# Altium PCB PCB1.PcbDoc
Units mm, origin at the board's own origin, x right, y up, seen from the top; angles counter-clockwise.
Board outline 62.48 x 81.41 mm, 2 copper layers (Top Layer, Bottom Layer); 36 components, 21 nets, 288 pads, 40 vias.
Unrouted connection lines stored in the file: 4.
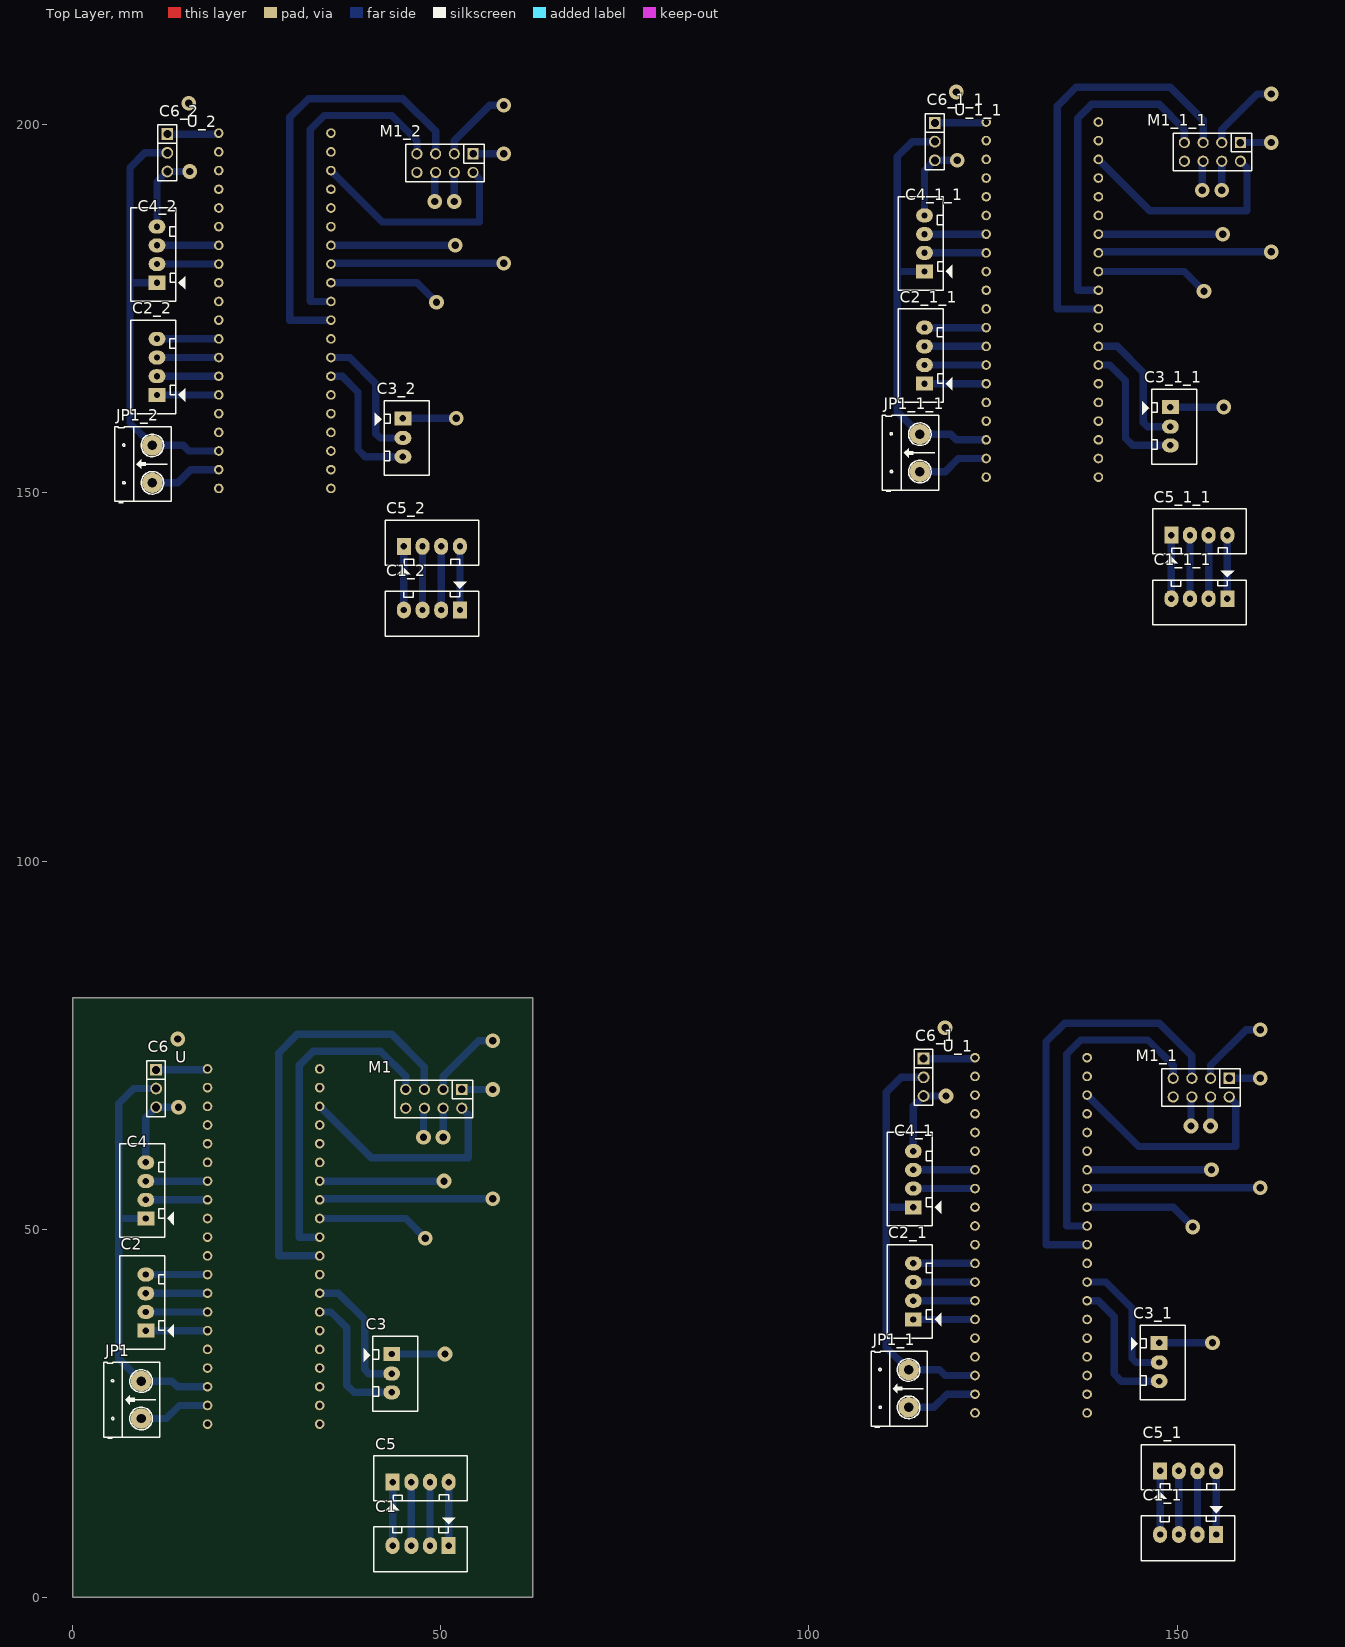
[diagram p0: Top Layer view]
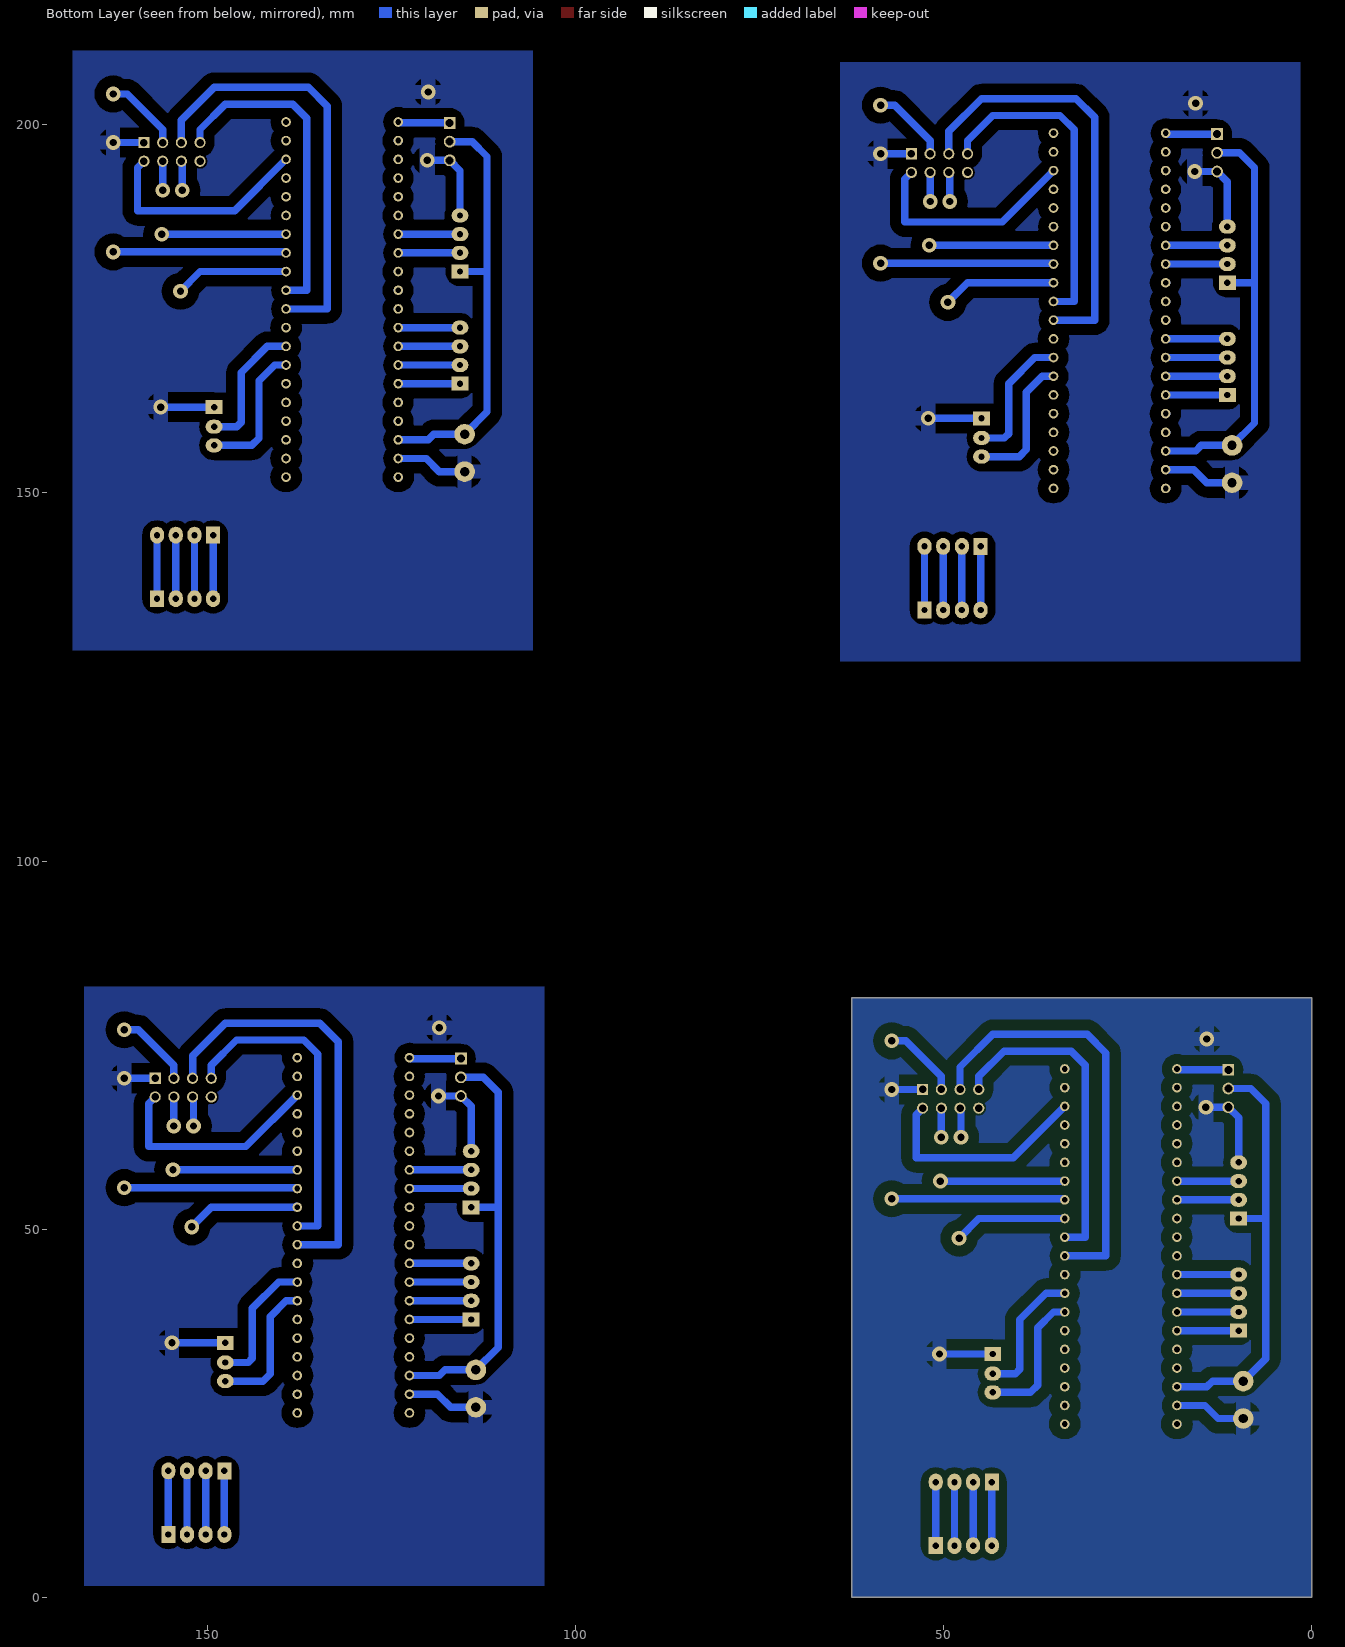
[diagram p1: Bottom Layer view, seen from below]

## Layer stack, top to bottom
Top Solder: solder mask 0.0102, Solder Resist, Dk 3.5
Top Layer: signal copper 0.0356
Dielectric 1: dielectric 0.32, FR-4, Dk 4.8
Bottom Layer: signal copper 0.0356
Bottom Solder: solder mask 0.0102, Solder Resist, Dk 3.5

## Board outline
0,0 62.484,0 62.484,81.407 0,81.407

## Design rules (kind name [scope] priority, off if disabled: settings)
Clearance Clearance_7 [InNamedPolygon('Bottom Layer-No Net')] p1: gap=0.254 ignorepadtopadclearanceinfootprint=FALSE except(0: Arc-Hole Track-Hole SMDPad-Hole THPad-Hole Via-Hole Fill-Hole Poly-Hole Region-Hole Text-Hole; 1.5: Arc-Fill Arc-Poly Arc-Region Track-Fill Track-Poly Track-Region Via-Fill Via-Poly Via-Region Fill-Fill Fill-Poly Fill-Region Poly-Poly Poly-Region Region-Region)
Clearance Clearance_6 [InNamedPolygon('Bottom Layer-No Net')] p2: gap=0.254 ignorepadtopadclearanceinfootprint=FALSE except(0: Arc-Hole Track-Hole SMDPad-Hole THPad-Hole Via-Hole Fill-Hole Poly-Hole Region-Hole Text-Hole; 1.5: Arc-Fill Arc-Poly Arc-Region Track-Fill Track-Poly Track-Region Via-Fill Via-Poly Via-Region Fill-Fill Fill-Poly Fill-Region Poly-Poly Poly-Region Region-Region)
Clearance Clearance_5 [InNamedPolygon('Bottom Layer-No Net')] p3: gap=0.254 ignorepadtopadclearanceinfootprint=FALSE except(0: Arc-Hole Track-Hole SMDPad-Hole THPad-Hole Via-Hole Fill-Hole Poly-Hole Region-Hole Text-Hole; 1.5: Arc-Fill Arc-Poly Arc-Region Track-Fill Track-Poly Track-Region Via-Fill Via-Poly Via-Region Fill-Fill Fill-Poly Fill-Region Poly-Poly Poly-Region Region-Region)
Clearance Clearance_4 [InNamedPolygon('Bottom Layer-No Net')] p4: gap=0.254 ignorepadtopadclearanceinfootprint=FALSE except(0: Arc-Hole Track-Hole SMDPad-Hole THPad-Hole Via-Hole Fill-Hole Poly-Hole Region-Hole Text-Hole; 0.5: Arc-Fill Arc-Poly Arc-Region Track-Fill Track-Poly Track-Region Via-Fill Via-Poly Via-Region Fill-Fill Fill-Poly Fill-Region Poly-Poly Poly-Region Region-Region)
Clearance Clearance_3 [InNamedPolygon('Bottom Layer-No Net')] p5: gap=0.254 ignorepadtopadclearanceinfootprint=FALSE except(0: Arc-Hole Track-Hole SMDPad-Hole THPad-Hole Via-Hole Fill-Hole Poly-Hole Region-Hole Text-Hole; 0.5: Arc-Fill Arc-Poly Arc-Region Track-Fill Track-Poly Track-Region Via-Fill Via-Poly Via-Region Fill-Fill Fill-Poly Fill-Region Poly-Poly Poly-Region Region-Region)
Clearance Clearance_2 [InNamedPolygon('Bottom Layer-No Net')] p6: gap=0.254 ignorepadtopadclearanceinfootprint=FALSE except(0: Arc-Hole Track-Hole SMDPad-Hole THPad-Hole Via-Hole Fill-Hole Poly-Hole Region-Hole Text-Hole; 0.5: Arc-Fill Arc-Poly Arc-Region Track-Fill Track-Poly Track-Region Via-Fill Via-Poly Via-Region Fill-Fill Fill-Poly Fill-Region Poly-Poly Poly-Region Region-Region)
Clearance Clearance_1 [InNamedPolygon('Bottom Layer-No Net')] p7: gap=0.254 ignorepadtopadclearanceinfootprint=FALSE except(0: Arc-Hole Track-Hole SMDPad-Hole THPad-Hole Via-Hole Fill-Hole Poly-Hole Region-Hole Text-Hole; 0.5: Arc-Fill Arc-Poly Arc-Region Track-Fill Track-Poly Track-Region Via-Fill Via-Poly Via-Region Fill-Fill Fill-Poly Fill-Region Poly-Poly Poly-Region Region-Region)
Clearance [All] p8: gap=0.254 ignorepadtopadclearanceinfootprint=FALSE except(0: Arc-Hole Track-Hole SMDPad-Hole THPad-Hole Via-Hole Fill-Hole Poly-Hole Region-Hole Text-Hole)
PolygonConnect PolygonConnect_8 [All vs IsNamedPolygon('Bottom Layer-No Net')] p1: connectstyle=Relief reliefconductorwidth=2 reliefentries=4 polygonreliefangle="90 Angle" airgapwidth=1
PolygonConnect PolygonConnect_7 [All vs IsNamedPolygon('Bottom Layer-No Net')] p2: connectstyle=Relief reliefconductorwidth=2 reliefentries=4 polygonreliefangle="90 Angle" airgapwidth=1
PolygonConnect PolygonConnect_6 [All vs IsNamedPolygon('Bottom Layer-No Net')] p3: connectstyle=Relief reliefconductorwidth=2 reliefentries=4 polygonreliefangle="90 Angle" airgapwidth=1
PolygonConnect PolygonConnect_5 [All vs IsNamedPolygon('Bottom Layer-No Net')] p4: connectstyle=Relief reliefconductorwidth=2 reliefentries=4 polygonreliefangle="90 Angle" airgapwidth=1
PolygonConnect PolygonConnect_4 [All vs IsNamedPolygon('Bottom Layer-No Net')] p5: connectstyle=Relief reliefconductorwidth=2 reliefentries=4 polygonreliefangle="90 Angle" airgapwidth=1
PolygonConnect PolygonConnect_3 [All vs IsNamedPolygon('Bottom Layer-No Net')] p6: connectstyle=Relief reliefconductorwidth=2 reliefentries=4 polygonreliefangle="90 Angle" airgapwidth=1
PolygonConnect PolygonConnect_2 [All vs IsNamedPolygon('Bottom Layer-No Net')] p7: connectstyle=Relief reliefconductorwidth=0.254 reliefentries=4 polygonreliefangle="90 Angle" airgapwidth=1
PolygonConnect PolygonConnect_1 [All vs IsNamedPolygon('Bottom Layer-No Net')] p8: connectstyle=Relief reliefconductorwidth=2 reliefentries=4 polygonreliefangle="90 Angle" airgapwidth=1
PolygonConnect [All] p9: connectstyle=Relief reliefconductorwidth=0.254 reliefentries=4 polygonreliefangle="90 Angle" airgapwidth=0.254
RoutingVias [All] p1: holewidth=0.711 width=1.27 viastyle="Through Hole" minholewidth=0.711 minwidth=1.27 maxholewidth=0.711 maxwidth=1.27
SolderMaskExpansion [All] p1: expansion=0.102
Width [All] p1: maxlimit=2 minlimit=0.254 preferedwidth=1 toplayer_maxwidth=0.254 toplayer_prefwidth=0.254 bottomlayer_minwidth=0.5 minimp=50.000000 maximp=50.000000 favimp=50.000000
30 further rules are at their usual default settings.

## Classes and differential pairs
component class Sheet1: C1 C2 C3 C4 C5 C6 JP1 M1 U

## Components (designator, comment, footprint, x,y, rotation, side; value= is the part's Value field where it differs from the comment)
C1 "Header4" Header4 51.054,6.985 r180 top
C1_1 "Header4" Header4 155.321,8.509 r180 top (schematic designator C1)
C1_1_1 "Header4" Header4 156.845,135.636 r180 top (schematic designator C1)
C1_2 "Header4" Header4 52.578,134.112 r180 top (schematic designator C1)
C2 "Header4" Header4 9.906,36.195 r90 top
C2_1 "Header4" Header4 114.173,37.719 r90 top (schematic designator C2)
C2_1_1 "Header4" Header4 115.697,164.846 r90 top (schematic designator C2)
C2_2 "Header4" Header4 11.43,163.322 r90 top (schematic designator C2)
C3 "Header3" Header3 43.307,32.893 r270 top
C3_1 "Header3" Header3 147.574,34.417 r270 top (schematic designator C3)
C3_1_1 "Header3" Header3 149.098,161.544 r270 top (schematic designator C3)
C3_2 "Header3" Header3 44.831,160.02 r270 top (schematic designator C3)
C4 "Header4" Header4 9.906,51.435 r90 top
C4_1 "Header4" Header4 114.173,52.959 r90 top (schematic designator C4)
C4_1_1 "Header4" Header4 115.697,180.086 r90 top (schematic designator C4)
C4_2 "Header4" Header4 11.43,178.562 r90 top (schematic designator C4)
C5 "Header4" Header4 43.434,15.621 r0 top
C5_1 "Header4" Header4 147.701,17.145 r0 top (schematic designator C5)
C5_1_1 "Header4" Header4 149.225,144.272 r0 top (schematic designator C5)
C5_2 "Header4" Header4 44.958,142.748 r0 top (schematic designator C5)
C6 "JP3" JP3-D1T 11.303,71.628 r270 top
C6_1 "JP3" JP3-D1T 115.57,73.152 r270 top (schematic designator C6)
C6_1_1 "JP3" JP3-D1T 117.094,200.279 r270 top (schematic designator C6)
C6_2 "JP3" JP3-D1T 12.827,198.755 r270 top (schematic designator C6)
JP1 "Header 2_1" HED2 9.271,24.257 r90 top value="Header 2"
JP1_1 "Header 2_1" HED2 113.538,25.781 r90 top value="Header 2" (schematic designator JP1)
JP1_1_1 "Header 2_1" HED2 115.062,152.908 r90 top value="Header 2" (schematic designator JP1)
JP1_2 "Header 2_1" HED2 10.795,151.384 r90 top value="Header 2" (schematic designator JP1)
M1 "NRF24L01" NRF24L01 49.022,67.691 r180 top
M1_1 "NRF24L01" NRF24L01 153.289,69.215 r180 top (schematic designator M1)
M1_1_1 "NRF24L01" NRF24L01 154.813,196.342 r180 top (schematic designator M1)
M1_2 "NRF24L01" NRF24L01 50.546,194.818 r180 top (schematic designator M1)
U "BLUE_PILL" BLUE_PILL 25.908,56.515 r0 top
U_1 "BLUE_PILL" BLUE_PILL 130.175,58.039 r0 top (schematic designator U)
U_1_1 "BLUE_PILL" BLUE_PILL 131.699,185.166 r0 top (schematic designator U)
U_2 "BLUE_PILL" BLUE_PILL 27.432,183.642 r0 top (schematic designator U)

## Footprints (in the part's own frame and the unit in brackets; to place one, negate y for a bottom-side part, rotate by r counter-clockwise, add the part's x,y. Pads: shape width x height; smd on the part's side, far side on the other; paste and mask are expansions set on the pad)
BLUE_PILL [mil]
  round 51.5 / inner round 60 / far side round 51.5 hole 31.5: P$1(-300,600) P$2(-300,500) P$3(-300,400) P$4(-300,300) P$5(-300,200) P$6(-300,100) P$7(-300,0) P$8(-300,-100) P$9(-300,-200) P$10(-300,-300) P$11(-300,-400) P$12(-300,-500) P$13(-300,-600) P$14(-300,-700) P$15(-300,-800) P$16(-300,-900) P$17(-300,-1000) P$18(-300,-1100) P$19(-300,-1200) P$20(-300,-1300) P$21(300,600) P$22(300,500) P$23(300,400) P$24(300,300) P$25(300,200) P$26(300,100) P$27(300,0) P$28(300,-100) P$29(300,-200) P$30(300,-300) P$31(300,-400) P$32(300,-500) P$33(300,-600) P$34(300,-700) P$35(300,-800) P$36(300,-900) P$37(300,-1000) P$38(300,-1100) P$39(300,-1200) P$40(300,-1300)
Header3 [mil] "CON 3"
  rect 75x90 hole 34: 1(-5,0)
  oval 75x90 hole 34: 2(100,0) 3(200,0)
  silkscreen extent -100,-150 300,140, body extent -95,-90 295,136, height 276
Header4 [mil] "CON4"
  rect 75x90 hole 34: 1(0,0)
  oval 75x90 hole 34: 2(100,0) 3(200,0) 4(300,0)
  silkscreen extent -100,-150 400,140, body extent -90,-90 398,136, height 276
HED2 [mil] "Header 2, 2 pin, hight 300mil, Pin to Pin 200, Colour Green"
  round 110 hole 50: 1(0,0) 2(200,0)
  silkscreen extent -106,-100 300,200, body extent -92,-140 302,155, height 394
JP3-D1T [mm] "3 pins, 1 row, straight, gold plating"
  rect 1.6x1.6 hole 1.1: 1(0,0)
  round 1.6 hole 1.1: 2(2.54,0) 3(5.08,0)
  silkscreen extent -1.27,-1.27 6.35,1.27, body extent -1.27,-1.27 6.35,1.27, height 8.54
NRF24L01 [mm]
  rect 1.52x1.52 hole 1.02: 1(-3.81,-1.27)
  round 1.52 hole 1.02: 2(-1.27,-1.27) 3(1.27,-1.27) 4(3.81,-1.27) 5(3.81,1.27) 6(1.27,1.27) 7(-1.27,1.27) 8(-3.81,1.27)
  silkscreen extent -5.33,-2.54 5.33,2.54, body extent -5.85,-2.79 9.15,26.21, height 15.4

## Part data
C1 C1_1 C1_1_1 C1_2 C2 C2_1 C2_1_1 C2_2 C4 C4_1 C4_1_1 C4_2 C5 C5_1 C5_1_1 C5_2: "Header IDC, 4 x 1 Pin Vertical 2.54mm Pitch (Non-Boxed, Male)", Manufacturer="Würth Elektronik eiSos GmbH", partNo=613002143121, ComponentLink1 Description=Manufacturer, ComponentLink1URL=http://www.we-online.com, ComponentLink2 Description=Datasheet, ComponentLink2URL=http://katalog.we-online.de/em/datasheet/6130xx143121.pdf, Created by="Karrer Zheng", Created Date="29 March 2013", NoPins=02
C3 C3_1 C3_1_1 C3_2: "Header IDC, 3 x 1 Pin Vertical 2.54mm Pitch (Non-Boxed, Male)", Manufacturer="Würth Elektronik eiSos GmbH", partNo=613002143121, ComponentLink1 Description=Manufacturer, ComponentLink1URL=http://www.we-online.com, ComponentLink2 Description=Datasheet, ComponentLink2URL=http://katalog.we-online.de/em/datasheet/6130xx143121.pdf, Created by="Karrer Zheng", Created Date="29 March 2013", NoPins=02
C6 C6_1 C6_1_1 C6_2: "WR-PHD 2.54 mm Angled Socket Header", Manufacturer="Würth Elektronik eiSos GmbH", partNo=613003143121, ComponentLink1 Description=Manufacturer, ComponentLink1URL=http://www.we-online.com, ComponentLink2 Description=Datasheet, ComponentLink2URL=http://katalog.we-online.de/em/datasheet/6130xx143121.pdf, Created by="Karrer Zheng", Created Date="29 March 2013", NoPins=03
JP1 JP1_1 JP1_1_1 JP1_2: "Header, 2-Pin", Manufacturer="Generic Components", Class=Connector
U U_1 U_1_1 U_2: DeviceSetName=BLUE_PILL, GateName_1=G$1, LibraryName=BluePill, Package=BLUE_PILL, SymbolName_1=BLUE_PILL

## Via types
v1: diameter 2, hole 1, Top Layer to Bottom Layer, tented both sides, 40 vias

## Nets (pads, with @x,y where several pads share a name; then routed paths per layer and width w, separated by ;. In a path a pad name is that pad's centre, name@x,y a point inside that pad or via, vN(x,y) a via of type N, cw(c..) or ccw(c..) an arc to the next point about the centre after c; other vN are vias at no path point)
GND: C3.1 C4.4 C6.3 JP1.1 M1.1 U.P$19 | length 32.4
  Bottom Layer w1: JP1.1 12.7,24.257 14.478,26.035 U.P$19 ; C4.4 9.906,65.151 C6.3 v1(14.351,66.548) ; C3.1 v1(50.546,33.02) ; M1.1@52.891,68.902 M1.1 v1(57.023,68.961)
  other v1: 14.224,75.819
NetC1_1: C1.1 C5.4 | length 8.6
  Bottom Layer w1: C1.1 C5.4
NetC1_2: C1.2 C5.3 | length 8.6
  Bottom Layer w1: C1.2 C5.3
NetC1_3: C1.3 C5.2 | length 8.6
  Bottom Layer w1: C1.3 C5.2
NetC1_4: C1.4 C5.1 | length 8.6
  Bottom Layer w1: C1.4 C5.1
NetC2_1: C2.1 U.P$15 | length 8.4
  Bottom Layer w1: C2.1 U.P$15
NetC2_2: C2.2 U.P$14 | length 8.4
  Bottom Layer w1: C2.2 U.P$14
NetC2_3: C2.3 U.P$13 | length 8.4
  Bottom Layer w1: C2.3 U.P$13
NetC2_4: C2.4 U.P$12 | length 8.4
  Bottom Layer w1: C2.4 U.P$12
NetC3_2: C3.2 U.P$33 | length 18.3
  Bottom Layer w1: U.P$33 36.068,41.275 39.624,37.719 39.624,30.939 40.21,30.353 C3.2
NetC3_3: C3.3 U.P$34 | length 18.9
  Bottom Layer w1: U.P$34 35.052,38.735 37.211,36.576 37.211,28.78 38.178,27.813 C3.3
NetC4_1: C4.1 C6.2 JP1.2 U.P$18 | length 57.9
  Bottom Layer w1: C4.1 6.223,51.435 ; C6.2 8.255,69.088 6.223,67.056 6.223,51.435 ; U.P$18 14.224,28.575 13.462,29.337 JP1.2 6.223,32.385 6.223,51.435
NetC4_2: C4.2 U.P$8 | length 8.4
  Bottom Layer w1: C4.2 U.P$8
NetC4_3: C4.3 U.P$7 | length 8.4
  Bottom Layer w1: C4.3 U.P$7
NetC6_1: C6.1 U.P$1 | length 7
  Bottom Layer w1: C6.1 18.078,71.628 18.205,71.755 U.P$1
NetM1_2: M1.2 U.P$28 | length 34.1
  Bottom Layer w1: U.P$28 33.655,54.102 v1(57.023,54.102) ; M1.2 50.292,70.739 55.118,75.565 v1(57.023,75.565)
NetM1_3: M1.3 U.P$31 | length 58.9
  Bottom Layer w1: U.P$31 27.94,46.355 27.94,73.914 30.48,76.454 43.307,76.454 47.752,72.009 M1.3
NetM1_4: M1.4 U.P$30 | length 44.6
  Bottom Layer w1: U.P$30 30.734,48.895 30.734,72.263 32.639,74.168 41.783,74.168 45.212,70.739 M1.4
NetM1_6: M1.6 U.P$29 | length 19.6
  Bottom Layer w1: U.P$29@33.655,51.562 U.P$29 45.212,51.435 v1(47.879,48.768) ; v1(47.625,62.484) 47.625,66.294 M1.6
NetM1_7: M1.7 U.P$27 | length 20.8
  Bottom Layer w1: U.P$27 v1(50.419,56.515) ; v1(50.292,62.484) M1.7
NetM1_8: M1.8 U.P$23 | length 30.2
  Bottom Layer w1: U.P$23 40.513,59.69 53.721,59.69 53.721,65.532 M1.8
pads on no net: C1_1.1 C1_1.2 C1_1.3 C1_1.4 C1_1_1.1 C1_1_1.2 C1_1_1.3 C1_1_1.4 C1_2.1 C1_2.2 C1_2.3 C1_2.4 C2_1.1 C2_1.2 C2_1.3 C2_1.4 C2_1_1.1 C2_1_1.2 C2_1_1.3 C2_1_1.4 C2_2.1 C2_2.2 C2_2.3 C2_2.4 C3_1.1 C3_1.2 C3_1.3 C3_1_1.1 C3_1_1.2 C3_1_1.3 C3_2.1 C3_2.2 C3_2.3 C4_1.1 C4_1.2 C4_1.3 C4_1.4 C4_1_1.1 C4_1_1.2 C4_1_1.3 C4_1_1.4 C4_2.1 C4_2.2 C4_2.3 C4_2.4 C5_1.1 C5_1.2 C5_1.3 C5_1.4 C5_1_1.1 C5_1_1.2 C5_1_1.3 C5_1_1.4 C5_2.1 C5_2.2 C5_2.3 C5_2.4 C6_1.1 C6_1.2 C6_1.3 C6_1_1.1 C6_1_1.2 C6_1_1.3 C6_2.1 C6_2.2 C6_2.3 JP1_1.1 JP1_1.2 JP1_1_1.1 JP1_1_1.2 JP1_2.1 JP1_2.2 M1.5 M1_1.1 M1_1.2 M1_1.3 M1_1.4 M1_1.5 M1_1.6 M1_1.7 M1_1.8 M1_1_1.1 M1_1_1.2 M1_1_1.3 M1_1_1.4 M1_1_1.5 M1_1_1.6 M1_1_1.7 M1_1_1.8 M1_2.1 M1_2.2 M1_2.3 M1_2.4 M1_2.5 M1_2.6 M1_2.7 M1_2.8 U.P$2 U.P$3 U.P$4 U.P$5 U.P$6 U.P$9 U.P$10 U.P$11 U.P$16 U.P$17 U.P$20 U.P$21 U.P$22 U.P$24 U.P$25 U.P$26 U.P$32 U.P$35 U.P$36 U.P$37 U.P$38 U.P$39 U.P$40 U_1.P$1 U_1.P$2 U_1.P$3 U_1.P$4 U_1.P$5 U_1.P$6 U_1.P$7 U_1.P$8 U_1.P$9 U_1.P$10 U_1.P$11 U_1.P$12 U_1.P$13 U_1.P$14 U_1.P$15 U_1.P$16 U_1.P$17 U_1.P$18 U_1.P$19 U_1.P$20 U_1.P$21 U_1.P$22 U_1.P$23 U_1.P$24 U_1.P$25 U_1.P$26 U_1.P$27 U_1.P$28 U_1.P$29 U_1.P$30 U_1.P$31 U_1.P$32 U_1.P$33 U_1.P$34 U_1.P$35 U_1.P$36 U_1.P$37 U_1.P$38 U_1.P$39 U_1.P$40 U_1_1.P$1 U_1_1.P$2 U_1_1.P$3 U_1_1.P$4 U_1_1.P$5 U_1_1.P$6 U_1_1.P$7 U_1_1.P$8 U_1_1.P$9 U_1_1.P$10 U_1_1.P$11 U_1_1.P$12 U_1_1.P$13 U_1_1.P$14 U_1_1.P$15 U_1_1.P$16 U_1_1.P$17 U_1_1.P$18 U_1_1.P$19 U_1_1.P$20 U_1_1.P$21 U_1_1.P$22 U_1_1.P$23 U_1_1.P$24 U_1_1.P$25 U_1_1.P$26 U_1_1.P$27 U_1_1.P$28 U_1_1.P$29 U_1_1.P$30 U_1_1.P$31 U_1_1.P$32 U_1_1.P$33 U_1_1.P$34 U_1_1.P$35 U_1_1.P$36 U_1_1.P$37 U_1_1.P$38 U_1_1.P$39 U_1_1.P$40 U_2.P$1 U_2.P$2 U_2.P$3 U_2.P$4 U_2.P$5 U_2.P$6 U_2.P$7 U_2.P$8 U_2.P$9 U_2.P$10 U_2.P$11 U_2.P$12 U_2.P$13 U_2.P$14 U_2.P$15 U_2.P$16 U_2.P$17 U_2.P$18 U_2.P$19 U_2.P$20 U_2.P$21 U_2.P$22 U_2.P$23 U_2.P$24 U_2.P$25 U_2.P$26 U_2.P$27 U_2.P$28 U_2.P$29 U_2.P$30 U_2.P$31 U_2.P$32 U_2.P$33 U_2.P$34 U_2.P$35 U_2.P$36 U_2.P$37 U_2.P$38 U_2.P$39 U_2.P$40
copper on no net: | length 1306
  Bottom Layer w1: 10.795,151.384 14.224,151.384 16.002,153.162 19.812,153.162 ; 11.43,163.322 19.812,163.322 ; 11.43,165.862 19.812,165.862 ; 11.43,168.402 19.812,168.402 ; 11.43,170.942 19.812,170.942 ; 11.43,178.562 7.747,178.562 ; 11.43,181.102 19.812,181.102 ; 11.43,183.642 19.812,183.642 ; 11.43,186.182 11.43,192.278 12.827,193.675 v1(15.875,193.675) ; 12.827,196.215 9.779,196.215 7.747,194.183 7.747,178.562 ; 12.827,198.755 19.602,198.755 19.729,198.882 19.812,198.882 ; 18.161,23.495 18.415,23.495 ; 18.161,31.115 18.415,31.115 ; 18.161,33.655 18.415,33.655 ; 18.161,46.355 18.415,46.355 ; 18.161,48.895 18.415,48.895 ; 18.161,51.435 18.415,51.435 ; 18.161,59.055 18.415,59.055 ; 18.161,61.595 18.415,61.595 ; 18.161,64.135 18.415,64.135 ; 18.161,66.675 18.415,66.675 ; 18.161,69.215 18.415,69.215 ; 19.685,150.622 19.939,150.622 ; 19.685,158.242 19.939,158.242 ; 19.685,160.782 19.939,160.782 ; 19.685,173.482 19.939,173.482 ; 19.685,176.022 19.939,176.022 ; 19.685,178.562 19.939,178.562 ; 19.685,186.182 19.939,186.182 ; 19.685,188.722 19.939,188.722 ; 19.685,191.262 19.939,191.262 ; 19.685,193.802 19.939,193.802 ; 19.685,196.342 19.939,196.342 ; 19.812,155.702 15.748,155.702 14.986,156.464 10.795,156.464 7.747,159.512 7.747,178.562 ; 33.401,23.495 33.655,23.495 ; 33.401,26.035 33.655,26.035 ; 33.401,28.575 33.655,28.575 ; 33.401,31.115 33.655,31.115 ; 33.401,33.655 33.655,33.655 ; 33.401,36.195 33.655,36.195 ; 33.401,43.815 33.655,43.815 ; 33.401,59.055 33.655,59.055 ; 33.401,61.595 33.655,61.595 ; 33.401,64.135 33.655,64.135 ; 33.401,69.215 33.655,69.215 ; 33.401,71.755 33.655,71.755 ; 34.925,150.622 35.179,150.622 ; 34.925,153.162 35.179,153.162 ; 34.925,155.702 35.179,155.702 ; 34.925,158.242 35.179,158.242 ; 34.925,160.782 35.179,160.782 ; 34.925,163.322 35.179,163.322 ; 34.925,170.942 35.179,170.942 ; 34.925,186.182 35.179,186.182 ; 34.925,188.722 35.179,188.722 ; 34.925,191.262 35.179,191.262 ; 34.925,196.342 35.179,196.342 ; 34.925,198.882 35.179,198.882 ; 35.052,165.862 36.576,165.862 38.735,163.703 38.735,155.907 39.702,154.94 44.831,154.94 ; 35.052,168.402 37.592,168.402 41.148,164.846 41.148,158.066 41.734,157.48 44.831,157.48 ; 35.052,173.482 29.464,173.482 29.464,201.041 32.004,203.581 44.831,203.581 49.276,199.136 49.276,196.088 ; 35.052,176.022 32.258,176.022 32.258,199.39 34.163,201.295 43.307,201.295 46.736,197.866 46.736,196.088 ; 35.052,181.102 35.179,181.229 v1(58.547,181.229) ; 35.052,183.642 v1(51.943,183.642) ; 35.052,193.802 42.037,186.817 55.245,186.817 55.245,192.659 54.356,193.548 ; 35.179,178.689 35.052,178.562 46.736,178.562 v1(49.403,175.895) ; 44.831,160.147 v1(52.07,160.147) ; 44.958,134.112 44.958,142.748 ; 47.498,134.112 47.498,142.748 ; v1(49.149,189.611) 49.149,193.421 49.276,193.548 ; 50.038,134.112 50.038,142.748 ; v1(51.816,189.611) 51.816,193.548 ; 51.816,196.088 51.816,197.866 56.642,202.692 v1(58.547,202.692) ; 52.578,134.112 52.578,142.748 ; 54.415,196.029 54.356,196.088 v1(58.547,196.088) ; 113.538,25.781 116.967,25.781 118.745,27.559 122.555,27.559 ; 114.173,37.719 122.555,37.719 ; 114.173,40.259 122.555,40.259 ; 114.173,42.799 122.555,42.799 ; 114.173,45.339 122.555,45.339 ; 114.173,52.959 110.49,52.959 ; 114.173,55.499 122.555,55.499 ; 114.173,58.039 122.555,58.039 ; 114.173,60.579 114.173,66.675 115.57,68.072 v1(118.618,68.072) ; 115.062,152.908 118.491,152.908 120.269,154.686 124.079,154.686 ; 115.57,70.612 112.522,70.612 110.49,68.58 110.49,52.959 ; 115.57,73.152 122.345,73.152 122.472,73.279 122.555,73.279 ; 115.697,164.846 124.079,164.846 ; 115.697,167.386 124.079,167.386 ; 115.697,169.926 124.079,169.926 ; 115.697,172.466 124.079,172.466 ; 115.697,180.086 112.014,180.086 ; 115.697,182.626 124.079,182.626 ; 115.697,185.166 124.079,185.166 ; 115.697,187.706 115.697,193.802 117.094,195.199 v1(120.142,195.199) ; 117.094,197.739 114.046,197.739 112.014,195.707 112.014,180.086 ; 117.094,200.279 123.869,200.279 123.996,200.406 124.079,200.406 ; 122.428,25.019 122.682,25.019 ; 122.428,32.639 122.682,32.639 ; 122.428,35.179 122.682,35.179 ; 122.428,47.879 122.682,47.879 ; 122.428,50.419 122.682,50.419 ; 122.428,52.959 122.682,52.959 ; 122.428,60.579 122.682,60.579 ; 122.428,63.119 122.682,63.119 ; 122.428,65.659 122.682,65.659 ; 122.428,68.199 122.682,68.199 ; 122.428,70.739 122.682,70.739 ; 122.555,30.099 118.491,30.099 117.729,30.861 113.538,30.861 110.49,33.909 110.49,52.959 ; 123.952,152.146 124.206,152.146 ; 123.952,159.766 124.206,159.766 ; 123.952,162.306 124.206,162.306 ; 123.952,175.006 124.206,175.006 ; 123.952,177.546 124.206,177.546 ; 123.952,180.086 124.206,180.086 ; 123.952,187.706 124.206,187.706 ; 123.952,190.246 124.206,190.246 ; 123.952,192.786 124.206,192.786 ; 123.952,195.326 124.206,195.326 ; 123.952,197.866 124.206,197.866 ; 124.079,157.226 120.015,157.226 119.253,157.988 115.062,157.988 112.014,161.036 112.014,180.086 ; 137.668,25.019 137.922,25.019 ; 137.668,27.559 137.922,27.559 ; 137.668,30.099 137.922,30.099 ; 137.668,32.639 137.922,32.639 ; 137.668,35.179 137.922,35.179 ; 137.668,37.719 137.922,37.719 ; 137.668,45.339 137.922,45.339 ; 137.668,60.579 137.922,60.579 ; 137.668,63.119 137.922,63.119 ; 137.668,65.659 137.922,65.659 ; 137.668,70.739 137.922,70.739 ; 137.668,73.279 137.922,73.279 ; 137.795,40.259 139.319,40.259 141.478,38.1 141.478,30.304 142.445,29.337 147.574,29.337 ; 137.795,42.799 140.335,42.799 143.891,39.243 143.891,32.463 144.477,31.877 147.574,31.877 ; 137.795,47.879 132.207,47.879 132.207,75.438 134.747,77.978 147.574,77.978 152.019,73.533 152.019,70.485 ; 137.795,50.419 135.001,50.419 135.001,73.787 136.906,75.692 146.05,75.692 149.479,72.263 149.479,70.485 ; 137.795,55.499 137.922,55.626 v1(161.29,55.626) ; 137.795,58.039 v1(154.686,58.039) ; 137.795,68.199 144.78,61.214 157.988,61.214 157.988,67.056 157.099,67.945 ; 137.922,53.086 137.795,52.959 149.479,52.959 v1(152.146,50.292) ; 139.192,152.146 139.446,152.146 ; 139.192,154.686 139.446,154.686 ; 139.192,157.226 139.446,157.226 ; 139.192,159.766 139.446,159.766 ; 139.192,162.306 139.446,162.306 ; 139.192,164.846 139.446,164.846 ; 139.192,172.466 139.446,172.466 ; 139.192,187.706 139.446,187.706 ; 139.192,190.246 139.446,190.246 ; 139.192,192.786 139.446,192.786 ; 139.192,197.866 139.446,197.866 ; 139.192,200.406 139.446,200.406 ; 139.319,167.386 140.843,167.386 143.002,165.227 143.002,157.431 143.969,156.464 149.098,156.464 ; 139.319,169.926 141.859,169.926 145.415,166.37 145.415,159.59 146.001,159.004 149.098,159.004 ; 139.319,175.006 133.731,175.006 133.731,202.565 136.271,205.105 149.098,205.105 153.543,200.66 153.543,197.612 ; 139.319,177.546 136.525,177.546 136.525,200.914 138.43,202.819 147.574,202.819 151.003,199.39 151.003,197.612 ; 139.319,182.626 139.446,182.753 v1(162.814,182.753) ; 139.319,185.166 v1(156.21,185.166) ; 139.319,195.326 146.304,188.341 159.512,188.341 159.512,194.183 158.623,195.072 ; 139.446,180.213 139.319,180.086 151.003,180.086 v1(153.67,177.419) ; 147.574,34.544 v1(154.813,34.544) ; 147.701,8.509 147.701,17.145 ; 149.098,161.671 v1(156.337,161.671) ; 149.225,135.636 149.225,144.272 ; 150.241,8.509 150.241,17.145 ; 151.765,135.636 151.765,144.272 ; v1(151.892,64.008) 151.892,67.818 152.019,67.945 ; 152.781,8.509 152.781,17.145 ; v1(153.416,191.135) 153.416,194.945 153.543,195.072 ; 154.305,135.636 154.305,144.272 ; v1(154.559,64.008) 154.559,67.945 ; 154.559,70.485 154.559,72.263 159.385,77.089 v1(161.29,77.089) ; 155.321,8.509 155.321,17.145 ; v1(156.083,191.135) 156.083,195.072 ; 156.083,197.612 156.083,199.39 160.909,204.216 v1(162.814,204.216) ; 156.845,135.636 156.845,144.272 ; 157.158,70.426 157.099,70.485 v1(161.29,70.485) ; 158.682,197.553 158.623,197.612 v1(162.814,197.612)
  other v1: 118.491,77.343 15.748,202.946 120.015,204.47

## Polygon pours and split planes (outlines as drawn)
no net on Bottom Layer "Bottom Layer-No Net" (solid, pour order 40): 1.524,127.127 64.008,127.127 64.008,208.534 1.524,208.534
no net on Bottom Layer "Bottom Layer-No Net" (solid, pour order 38): 105.791,128.651 168.275,128.651 168.275,210.058 105.791,210.058
no net on Bottom Layer "Bottom Layer-No Net" (solid, pour order 36): 104.267,1.524 166.751,1.524 166.751,82.931 104.267,82.931
GND on Bottom Layer "Bottom Layer-No Net" (solid, pour order 2): 0,0 62.484,0 62.484,81.407 0,81.407